# Allegro board 8880F5-0823_2_1.brd (continued)
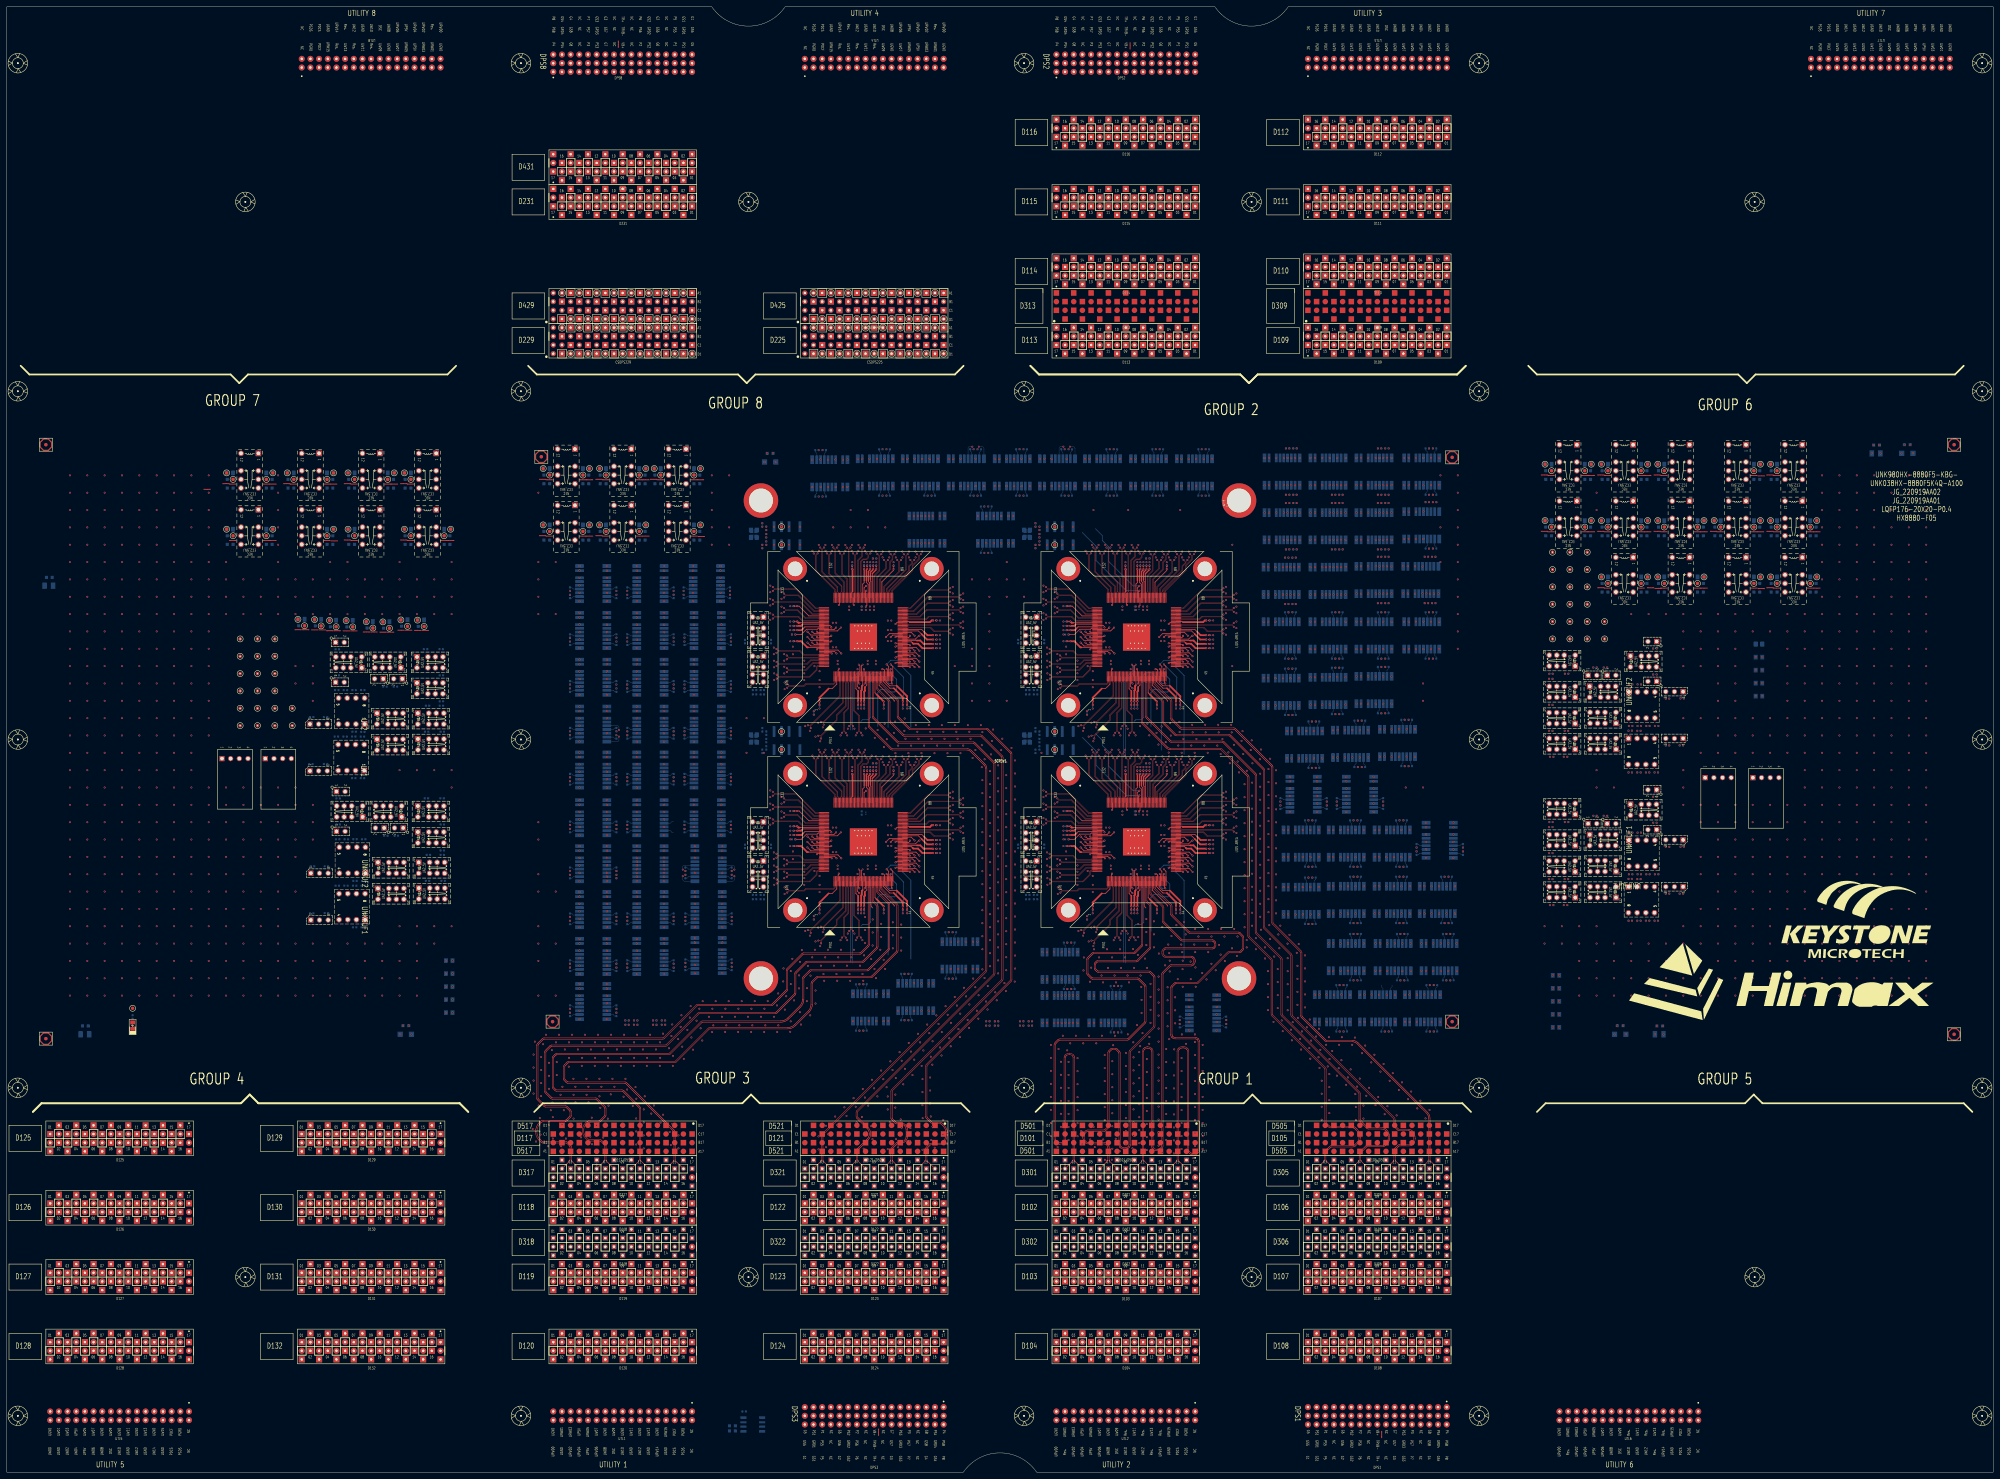
[diagram p0: board, top side]
## Routing (per net, layer and track width the routed paths; a pad name or vN(x,y) marks a point on that pad's centre or on a via; arc(x,y) is an arc through that point) (continued)
  TOP w0.086: SITE1.130 243.03,257.78 243.11,257.86 243.11,259.19 238.61,263.69 238.61,270.43 v1(238.16,270.88)
  L32_SIGNAL w0.071: v2(257.58,286.07) 257.1,286.54 257.1,287.94 254.02,291.03 246.01,291.03 238.63,283.65 238.63,271.35 v1(238.16,270.88)
S1_4TX_100DCH002+: length 99.2
  TOP w0.086: v1(237.43,269.15) 236.97,268.69 236.97,264.24 242.55,258.66 242.55,257.86 242.63,257.78 SITE1.131
  L32_SIGNAL w0.071: v2(283.1,299.66) 283.57,300.13 283.57,303.34 282.4,304.51 241.86,304.51 236.95,299.6 236.95,269.62 v1(237.43,269.15)
S1_4TX_100DCH002-: length 99.9
  TOP w0.086: v1(236.28,269.15) 236.73,268.71 236.73,264.14 242.31,258.56 242.31,257.86 242.23,257.78 SITE1.132
  L32_SIGNAL w0.071: v1(236.28,269.15) 236.75,269.62 236.75,299.69 241.78,304.71 282.48,304.71 283.77,303.42 283.77,300.13 v2(284.25,299.66)
S1_4TX_100DCH003+: length 143.5
  TOP w0.086: SITE1.133 237.68,253.23 237.6,253.15 236.94,253.15 231.22,258.87 224.75,258.87 v1(224.31,259.31)
  L32_SIGNAL w0.071: v2(283.1,286.07) 283.57,285.6 283.57,285.13 284.21,284.5 285.47,284.5 287.09,286.11 287.09,302.2 281.65,307.63 242.01,307.63 233.56,299.18 233.56,285.84 226.06,278.35 226.06,259.55 225.35,258.84 224.78,258.84 v1(224.31,259.31)
S1_4TX_100DCH003-: length 142.6
  TOP w0.086: v1(224.31,258.17) 224.77,258.63 231.12,258.63 236.84,252.91 237.6,252.91 237.68,252.83 SITE1.134
  L32_SIGNAL w0.071: v2(284.25,286.07) 283.77,285.6 283.77,285.21 284.29,284.7 285.39,284.7 286.89,286.19 286.89,302.12 281.57,307.44 242.1,307.44 233.75,299.09 233.75,285.76 226.26,278.27 226.26,259.47 225.43,258.64 224.78,258.64 v1(224.31,258.17)
S1_4TX_100DCH004+: length 77.7
  TOP w0.086: v1(227.6,257.38) 228.04,256.95 231.86,256.95 236.46,252.35 237.6,252.35 237.68,252.43 SITE1.135
  L32_SIGNAL w0.071: v1(227.6,257.38) 227.13,256.91 219.79,256.91 214.25,262.45 214.25,265.64 211.52,268.37 184.32,268.37 179.59,263.64 179.59,257.97 179.32,257.7 178.97,257.7 v2(178.5,258.17)
S1_4TX_100DCH004-: length 77.7
  TOP w0.086: v1(227.6,256.24) 228.07,256.71 231.76,256.71 236.36,252.11 237.6,252.11 237.68,252.03 SITE1.136
  L32_SIGNAL w0.071: v2(178.5,257.03) 178.97,257.5 179.4,257.5 179.79,257.89 179.79,263.55 184.41,268.17 211.44,268.17 214.05,265.56 214.05,262.37 219.71,256.71 227.13,256.71 v1(227.6,256.24)
S1_4TX_100DCH005+: length 85.1
  TOP w0.086: v1(224.31,255.45) 224.75,255.01 232.43,255.01 235.88,251.55 237.6,251.55 237.68,251.63 SITE1.137
  L32_SIGNAL w0.071: v2(164.91,258.17) 165.38,257.7 166.4,257.7 168.1,256 178.81,256 180.68,257.87 180.68,260.62 183.15,263.1 210.5,263.1 218.62,254.98 223.83,254.98 v1(224.31,255.45)
S1_4TX_100DCH005-: length 85.1
  TOP w0.086: v1(224.31,254.31) 224.76,254.77 232.33,254.77 235.78,251.31 237.6,251.31 237.68,251.23 SITE1.138
  L32_SIGNAL w0.071: v2(164.91,257.03) 165.38,257.5 166.32,257.5 168.02,255.8 178.9,255.8 180.88,257.78 180.88,260.54 183.23,262.9 210.42,262.9 218.54,254.78 223.83,254.78 v1(224.31,254.31)
S1_4TX_100DCH006+: length 47.7
  TOP w0.086: SITE1.140 237.68,250.43 237.6,250.35 233.88,250.35 231.52,252.7 228.04,252.7 v1(227.6,253.14)
  L32_SIGNAL w0.071: v2(195.26,258.17) 195.73,257.7 196.81,257.7 201.84,252.67 227.13,252.67 v1(227.6,253.14)
S1_4TX_100DCH006-: length 47.7
  TOP w0.086: v1(227.6,252) 228.06,252.46 231.43,252.46 233.78,250.11 237.6,250.11 237.68,250.03 SITE1.141
  L32_SIGNAL w0.071: v1(227.6,252) 227.13,252.47 201.76,252.47 196.73,257.5 195.73,257.5 v1(195.26,257.03)
S1_4TX_100DCH007+: length 63.7
  TOP w0.086: v1(224.31,251.21) 224.76,250.76 231.83,250.76 233.04,249.55 237.6,249.55 237.68,249.63 SITE1.142
  L32_SIGNAL w0.071: v1(224.31,251.21) 223.83,250.74 223.37,250.74 222.19,251.92 212.79,251.92 210.34,249.47 191.59,249.47 183.36,257.7 182.15,257.7 v2(181.67,258.17)
S1_4TX_100DCH007-: length 63.7
  TOP w0.086: SITE1.143 237.68,249.23 237.6,249.31 232.94,249.31 231.73,250.52 224.76,250.52 v1(224.31,250.07)
  L32_SIGNAL w0.071: v2(181.67,257.03) 182.15,257.5 183.28,257.5 191.51,249.27 210.42,249.27 212.87,251.72 222.11,251.72 223.29,250.54 223.83,250.54 v1(224.31,250.07)
S1_AUX_100DCH002+:
  vias: v1(183.65,132.33)
S1_AUX_100DCH002-:
  vias: v1(181.11,132.33)
S1_AUXCH+: length 24
  TOP w0.203: SITE1.21 250.23,236.2 v2(250.6,236.57)
  BOTTOM w0.203: 247.57,217.42 247.57,231.79 250.3,234.52 250.3,236.28 v2(250.6,236.57)
S1_AUXCH-: length 24
  TOP w0.203: SITE1.20 249.83,236.2 v2(249.46,236.57)
  BOTTOM w0.203: 247.03,217.42 247.03,232.02 249.76,234.75 249.76,236.28 v2(249.46,236.57)
S1_AVDD11_RX: length 8.4
  TOP w0.231: 254.67,227.85 254.23,228.29 SITE1.31
  TOP w0.508: v1(256.77,225.75) 254.67,227.85
  vias: v1(256.77,223.71)
S1_AVDD11_XTAL: length 8.8
  TOP w0.231: SITE1.105 253.03,260.95 252.87,261.11 252.87,261.45
  TOP w0.381: v1(253.72,264.54) 253.72,264.44 252.87,263.59 252.87,261.45
  vias: v1(253.72,266.58)
S1_AVDD18_RX: length 7.7
  TOP w0.231: 251.28,230.01 251.83,230.56 SITE1.25
  TOP w0.508: 251.28,230.01 251.28,228.9 251.06,228.68 v1(251.06,225.75)
  vias: v1(251.06,223.71)
S1_DCH041: length 2.2
  TOP w0.231: v1(237.23,243.03) 237.43,242.83 SITE1.159
S1_DCH042: length 3.7
  TOP w0.231: v1(235.83,243.03) 236.43,242.43 SITE1.160
S1_DCH043: length 5.3
  TOP w0.231: v1(234.44,243.03) 235.44,242.03 SITE1.161
S1_DCH044: length 2.2
  TOP w0.231: SITE1.163 237.43,241.23 v1(237.23,241.03)
S1_DCH045: length 5.4
  TOP w0.231: v1(244.35,239.83) 243.35,240.83 SITE1.164
S1_DCH046: length 3.9
  TOP w0.231: v1(242.95,239.83) 242.35,240.43 SITE1.165
S1_DCH047: length 2.3
  TOP w0.231: v1(241.56,239.83) 241.36,240.03 SITE1.166
S1_DCH048:
  vias: v1(229.05,276.97)
S1_DCH049:
  vias: v1(229.05,271.67)
S1_DPS_F_001:
  vias: v1(182.11,131.06)
S1_DPS_F_002: length 10.1
  TOP w0.119: v1(237.98,223.71) 237.98,223.75
  TOP w0.231: 240.65,229.55 241.72,229.55 243.03,230.86 SITE1.3
  TOP w0.508: v1(237.98,225.75) 237.98,226.88 240.65,229.55
  vias: v1(236.32,222.9)
S1_DPS_F_003: length 63.1
  TOP w0.231: 234.63,241.63 SITE1.162 ; 267.84,245.53 266.94,246.43 SITE1.71 ; 232.83,248.18 233.08,248.43 SITE1.145 ; 265.2,242.93 264.9,243.23 SITE1.63 ; 251.69,261.16 251.69,260.65 252.23,260.11 SITE1.107 ; 249.28,228.85 248.63,229.5 SITE1.17 ; 259.73,229.66 258.57,229.66 256.63,231.59 SITE1.37
  TOP w0.381: 251.69,261.16 251.69,264.28 v1(251.94,264.54)
  TOP w0.508: v1(231.44,247.93) 232.58,247.93 232.83,248.18 ; 259.73,229.66 262.36,227.02 v1(262.36,225.75) ; v1(271.22,241.37) 268.11,241.37 266.8,242.67 265.45,242.67 265.2,242.93 ; 267.84,245.53 269.46,243.91 v1(271.22,243.91) ; 234.63,241.63 234.37,241.63 232.59,243.41 v1(231.44,243.41) ; v1(249.28,225.75) 249.28,228.85
  vias: v1(229.4,247.93) v1(229.4,243.41) v1(249.28,223.71) v1(251.54,252.59) v1(251.94,266.58) v1(262.36,223.71) v1(273.27,243.91) v1(273.27,241.37)
S1_DPS_F_006: length 9.8
  TOP w0.231: SITE1.72 267.92,246.83 268.55,246.19
  TOP w0.508: v1(271.22,245.18) 269.56,245.18 268.55,246.19
  BOTTOM w0.119: CC40.1 v1(259,246.67)
  vias: v1(273.27,245.18)
S1_DPS_F_007: length 19.2
  TOP w0.231: SITE1.78 264.15,249.23 264.37,249.01
  TOP w0.254: SITE1.97 256.23,260.8 259.65,264.22 v1(259.65,264.54) CD11.1
  TOP w0.508: v1(271.22,249.5) 270.8,249.5 270.31,249.01 264.37,249.01
  BOTTOM w0.119: CC27.1 v1(273.27,249.5)
  vias: v1(259.65,266.58)
S1_DPS_F_009: length 8.8
  TOP w0.231: 252.26,261.12 252.26,260.9 252.63,260.53 SITE1.106
  TOP w0.381: 252.26,261.12 252.26,263.82 252.83,264.39 v1(252.83,264.54)
  vias: v1(252.83,266.58) v1(253.61,267.66)
S1_DPS_F_010: length 8.6
  TOP w0.231: SITE1.111 250.63,260.15 251.05,260.57 251.05,261.13
  TOP w0.381: 251.05,261.13 v1(251.05,264.54)
  vias: v1(250.34,253.59) v1(251.05,266.58)
S1_DPS_F_011: length 17.6
  TOP w0.231: SITE1.119 247.43,257.79 247.64,258.01 ; v1(231.44,253.69) 232.01,253.69 234.87,250.83 SITE1.139
  TOP w0.508: v1(247.57,264.54) 247.64,264.47 247.64,258.01
  vias: v1(229.4,253.69) v1(247.57,266.58)
S1_DPS_F_012: length 8
  TOP w0.231: 232.2,248.83 SITE1.144
  TOP w0.508: v1(231.44,249.2) 231.81,248.83 232.2,248.83
  vias: v1(229.4,249.2)
S1_ISP00+: length 14.6
  TOP w0.086: v1(276.24,245.73) 275.81,246.16 271.56,246.16 270.41,247.31 264.06,247.31 263.98,247.23 SITE1.73
  vias: v1(270.04,280.1)
S1_ISP00-: length 14.6
  TOP w0.086: SITE1.74 263.98,247.63 264.06,247.55 270.51,247.55 271.66,246.4 275.77,246.4 v1(276.24,246.87)
  vias: v1(270.04,272.1)
S1_ISP14+: length 71.8
  TOP w0.086: SITE1.112 250.23,257.78 250.15,257.86 250.15,266.68 250.73,267.26 251.76,267.26 252.42,267.92 252.42,268.71 v1(252.86,269.15)
  L28_SIGNAL w0.071: v1(252.86,269.15) 252.39,269.62 252.39,275.23 259.25,282.08 277.73,282.08 279.33,280.48 279.33,278.54 276.99,276.2 265.91,276.2 265.64,276.46 v1(265.64,280.1)
S1_ISP14-: length 72.8
  TOP w0.086: v1(251.72,269.15) 252.18,268.69 252.18,268.02 251.66,267.5 250.63,267.5 249.91,266.78 249.91,257.86 249.83,257.78 SITE1.113
  L28_SIGNAL w0.071: v1(251.72,269.15) 252.19,269.62 252.19,275.31 259.16,282.28 277.81,282.28 279.53,280.56 279.53,278.46 277.07,276 265.91,276 265.64,275.73 v1(265.64,272.1)
S1_ISP_1LOCK:
  vias: v1(229.91,245.39)
S1_M_DPS_F_001: length 45.2
  TOP w0.231: 250.63,230.54 SITE1.22 ; 266.49,243.63 SITE1.64 ; 233.24,247.18 233.7,247.63 SITE1.147 ; SITE1.39 257.43,231.49 258.54,230.37 260.57,230.37 ; SITE1.104 253.43,263.21
  TOP w0.381: v1(254.61,264.54) 254.61,264.39 253.43,263.21
  TOP w0.508: v1(250.17,225.75) 250.17,228.96 250.38,229.17 250.38,230.28 250.63,230.54 ; v1(263.63,225.75) 263.63,227.31 260.57,230.37 ; 266.49,243.63 267.49,243.63 268.48,242.64 v1(271.22,242.64) ; v1(231.44,246.66) 232.72,246.66 233.24,247.18
  vias: v1(229.4,246.66) v1(250.17,223.71) v1(254.61,266.58) v1(263.63,223.71) v1(273.27,242.64)
S1_PS9G_DCH001: length 3.7
  TOP w0.231: SITE1.18 249.03,230.23 v1(249.63,229.63)
S1_PS9G_DCH002: length 2.2
  TOP w0.231: v1(249.63,231.03) 249.43,231.23 SITE1.19
S1_PS9G_DCH003: length 2.2
  TOP w0.231: SITE1.24 251.43,231.23 v1(251.23,231.03)
S1_PS9G_DCH004: length 2.2
  TOP w0.231: v1(257.63,235.23) 257.83,235.03 SITE1.40
S1_PS9G_DCH005: length 2.2
  TOP w0.231: SITE1.45 264.23,236.03 v1(264.43,235.83)
S1_PS9G_DCH006: length 3.7
  TOP w0.231: v1(265.83,235.83) 265.23,236.43 SITE1.46
S1_PS9G_DCH007: length 5.3
  TOP w0.231: v1(267.23,235.83) 266.22,236.83 SITE1.47
S1_PS9G_DCH009: length 2.2
  TOP w0.231: v1(264.43,237.43) 264.23,237.63 SITE1.49
S1_PS9G_DCH010: length 3.7
  TOP w0.231: SITE1.50 265.23,238.03 v1(265.83,237.43)
S1_PS9G_DCH011: length 5.3
  TOP w0.231: v1(267.23,237.43) 266.22,238.43 SITE1.51
S1_PS9G_DCH014: length 3.7
  TOP w0.231: SITE1.54 265.23,239.63 v1(265.83,239.03)
S1_PS9G_DCH015: length 5.3
  TOP w0.231: v1(267.23,239.03) 266.22,240.03 SITE1.55
S1_PS9G_DCH022: length 5.3
  TOP w0.231: v1(267.23,245.03) 267.05,245.03 266.05,244.03 SITE1.65
S1_PS9G_DCH023: length 2.5
  TOP w0.231: v1(264.43,245.03) 264.43,244.83 264.03,244.43 SITE1.66
S1_PS9G_DCH027: length 3.9
  TOP w0.231: v1(265.83,245.03) 264.83,246.03 SITE1.70
S1_PS9G_DCH028: length 2.3
  TOP w0.231: v1(260.23,248.46) 260.6,248.83 SITE1.77
S1_PS9G_DCH029: length 2.2
  TOP w0.231: SITE1.118 247.83,254.23 v1(248.03,254.03)
S1_PS9G_DCH030: length 9.2
  TOP w0.231: SITE1.148 237.62,247.23 237.3,246.91 234.16,246.91 232.63,245.39 v1(230.91,245.39)
S1_PS9G_DCH035: length 5.3
  TOP w0.231: v1(234.44,246.23) 235.44,245.23 SITE1.153
S1_PS9G_DCH036: length 2.2
  TOP w0.231: v1(241.43,245.03) 241.23,244.83 SITE1.154
S1_PS9G_DCH037: length 2.2
  TOP w0.231: SITE1.155 237.43,244.43 v1(237.23,244.63)
S1_PS9G_DCH038: length 3.7
  TOP w0.231: SITE1.156 236.43,244.03 v1(235.83,244.63)
S1_PS9G_DCH039: length 5.3
  TOP w0.231: v1(234.44,244.63) 235.44,243.63 SITE1.157
S1_PS9G_DCH040: length 2.2
  TOP w0.231: SITE1.158 241.23,243.23 v1(241.43,243.43)
S1_RLY_001:
  vias: v1(167.7,222.95) v1(201.23,236.67)
S1_RLY_003:
  vias: v1(290.64,288.86) v1(303.84,288.86)
S1_RLY_005:
  vias: v1(330.51,288.86) v1(343.98,288.86)
S1_RLY_007:
  vias: v1(317.05,288.86)
S1_RLY_008:
  vias: v1(263.71,288.86) v1(293.31,280.1)
S1_RLY_016:
  vias: v1(244.8,296.61) v1(250.5,288.86)
S1_RLY_018:
  vias: v1(232.25,276.97)
S1_RLY_021:
  vias: v1(167.7,264.1) v1(277.17,288.86)
S1_RLY_022:
  vias: v1(167.7,236.67) v1(201.23,250.38)
S1_RLY_023:
  vias: v1(184.47,236.67)
S1_RLY_025:
  vias: v1(167.7,250.38) v1(200.98,264.1)
S1_RLY_026:
  vias: v1(184.47,250.38)
S1_RLY_030:
  vias: v1(184.47,264.1)
S1_RLY_043:
  vias: v1(273.24,280.1)
S1_SCAN_DCH008: length 2.2
  TOP w0.231: SITE1.48 260.43,237.23 v1(260.23,237.03)
S1_SCAN_DCH012: length 2.2
  TOP w0.231: SITE1.52 260.43,238.83 v1(260.23,238.63)
S1_SCAN_DCH013: length 2.2
  TOP w0.231: SITE1.53 264.23,239.23 v1(264.43,239.03)
S1_SCAN_DCH016: length 2.2
  TOP w0.231: v1(260.23,240.23) 260.43,240.43 SITE1.56
S1_SCAN_DCH017: length 2.2
  TOP w0.231: v1(264.43,240.63) 264.23,240.83 SITE1.57
S1_SCAN_DCH018: length 3.7
  TOP w0.231: v1(265.83,240.63) 265.23,241.23 SITE1.58
S1_SCAN_DCH019: length 5.3
  TOP w0.231: v1(267.23,240.63) 266.22,241.63 SITE1.59
S1_SCAN_DCH020: length 2.2
  TOP w0.231: SITE1.60 260.43,242.03 v1(260.23,241.83)
S1_SCAN_DCH021: length 2.2
  TOP w0.231: SITE1.61 264.23,242.43 v1(264.43,242.23)
S1_SCAN_DCH024: length 2.2
  TOP w0.231: SITE1.67 260.43,244.83 v1(260.23,244.63)
S1_SCAN_DCH025: length 3.7
  TOP w0.231: SITE1.68 259.43,245.23 v1(258.83,244.63)
S1_SCAN_DCH026: length 5.3
  TOP w0.231: v1(257.44,244.63) 258.44,245.63 SITE1.69
S1_SCAN_DCH031: length 3.7
  TOP w0.231: v1(242.83,247.43) 242.23,246.83 SITE1.149
S1_SCAN_DCH032: length 5.3
  TOP w0.231: SITE1.150 243.22,246.43 v1(244.22,247.43)
S1_SCAN_DCH033: length 2.2
  TOP w0.231: SITE1.151 237.43,246.03 v1(237.23,246.23)
S1_SCAN_DCH034: length 3.7
  TOP w0.231: SITE1.152 236.43,245.63 v1(235.83,246.23)
S1_SPI_CSN: length 25.9
  TOP w0.231: v1(259.23,231.03) 259.03,231.23 SITE1.43
  BOTTOM w0.231: 250.11,219.95 250.61,220.44 252.25,220.44 252.91,221.11 252.91,233.59 253.58,234.25 255.17,234.25 258.4,231.03 v1(259.23,231.03)
S1_SPI_SCK: length 25.3
  TOP w0.231: SITE1.42 258.63,235.03 v1(258.83,235.23)
  BOTTOM w0.231: 255.03,218.48 255.03,228.39 255.92,229.27 257.17,229.27 257.9,228.54 259.96,228.54 260.53,229.11 260.53,232.28 258.83,233.98 v1(258.83,235.23)
S1_SPI_SDI: length 27.5
  TOP w0.231: SITE1.44 259.43,236.03 v1(258.83,236.63)
  BOTTOM w0.231: 258.07,218.19 258.07,226.28 258.85,227.06 262.04,227.06 262.6,227.63 262.6,232.86 v1(258.83,236.63)
S1_SPI_SDO: length 29.1
  TOP w0.231: v1(257.63,236.63) 258.23,236.03 SITE1.41
  BOTTOM w0.231: v1(257.63,236.63) 258.83,237.83 261.5,237.83 262.29,237.04 262.29,235.83 264.72,233.4 264.72,218.19
S1_XTAL_IN: length 2.2
  TOP w0.231: SITE1.109 251.43,258.03 v1(251.63,258.23)
  vias: v1(226.85,271.67)
S1_XTAL_OUT: length 3.7
  TOP w0.231: v1(251.63,259.63) 251.03,259.03 SITE1.110
  vias: v1(226.85,276.97)
S2_1TX_100DCH001+: length 85.8
  L07_SIGNAL w0.071: 416.92,312.8 416.92,299.98 416.85,299.91 v1(416.45,299.91)
  L30_SIGNAL w0.071: v1(416.45,299.91) 416.92,299.44 416.92,298.08 406.32,287.48 406.32,267.89 405.38,266.95 385.23,266.95 383.77,265.49 383.77,262.03 384.78,261.01 388.2,261.01 388.49,260.72 v1(388.49,257.11)
S2_1TX_100DCH001-: length 85.5
  L07_SIGNAL w0.071: v1(417.6,299.91) 417.19,299.91 417.12,299.98 417.12,312.8
  L30_SIGNAL w0.071: v1(417.6,299.91) 417.12,299.44 417.12,298 406.52,287.4 406.52,267.81 405.46,266.75 385.31,266.75 383.97,265.41 383.97,262.11 384.87,261.21 388.2,261.21 388.49,261.51 v1(388.49,265.11)
S2_1TX_100DCH002+: length 166
  TOP w0.086: SITE2.75 343.98,248.03 344.06,248.11 358.84,248.11 v1(359.29,247.66)
  L07_SIGNAL w0.071: v1(416.45,286.32) 416.85,286.32 416.92,286.39 416.92,287.31 415.62,288.62 415.62,312.77
  L30_SIGNAL w0.071: v1(416.45,286.32) 416.93,286.8 416.93,287.18 416.08,288.02 416.08,294.44 418.69,297.05 418.69,300.03 417.91,300.81 399.94,300.81 397.59,298.46 397.59,280.14 392.91,275.46 382.86,275.46 381.08,273.68 381.08,250.42 378.79,248.13 359.76,248.13 v1(359.29,247.66)
S2_1TX_100DCH002-: length 166.4
  TOP w0.086: v1(359.29,248.8) 358.84,248.35 344.06,248.35 343.98,248.43 SITE2.76
  L07_SIGNAL w0.071: v1(417.6,286.32) 417.19,286.32 417.12,286.39 417.12,287.39 415.81,288.7 415.81,312.77
  L30_SIGNAL w0.071: v1(417.6,286.32) 417.13,286.79 417.13,287.26 416.28,288.11 416.28,294.36 418.89,296.97 418.89,300.12 417.99,301.01 399.86,301.01 397.39,298.54 397.39,280.22 392.83,275.66 382.78,275.66 380.88,273.76 380.88,250.5 378.7,248.33 359.76,248.33 v1(359.29,248.8)
S2_1TX_100DCH003+: length 145.4
  TOP w0.086: SITE2.79 343.98,249.63 344.06,249.71 349.2,249.71 350.02,250.53 355.8,250.53 v1(356.24,250.09)
  L07_SIGNAL w0.071: v1(416.45,284.16) 416.85,284.16 416.92,284.23 416.92,284.91 418.3,286.29 418.3,312.8
  L30_SIGNAL w0.071: v1(416.45,284.16) 416.92,284.63 416.92,285.2 417.3,285.57 419.17,285.57 420.13,284.6 420.13,280.43 418.3,278.59 418.3,275.54 414.8,272.04 412.42,272.04 407.85,267.46 407.85,258.02 405.87,256.05 395.96,256.05 393.68,253.77 393.68,248.34 391.43,246.08 359.3,246.08 358.26,247.11 358.26,249.56 357.26,250.56 356.72,250.56 v1(356.24,250.09)
S2_1TX_100DCH003-: length 144.4
  TOP w0.086: SITE2.80 343.98,250.03 344.06,249.95 349.1,249.95 349.92,250.77 355.78,250.77 v1(356.24,251.23)
  L07_SIGNAL w0.071: 418.5,312.8 418.5,286.21 417.12,284.83 417.12,284.23 417.19,284.16 v1(417.6,284.16)
  L30_SIGNAL w0.071: v1(417.6,284.16) 417.12,284.64 417.12,285.12 417.38,285.37 419.08,285.37 419.93,284.52 419.93,280.51 418.1,278.68 418.1,275.62 414.72,272.24 412.34,272.24 407.65,267.55 407.65,258.1 405.79,256.25 395.88,256.25 393.49,253.85 393.49,248.42 391.35,246.28 359.38,246.28 358.46,247.2 358.46,249.64 357.34,250.76 356.72,250.76 v1(356.24,251.23)
S2_1TX_100DCH004+: length 202
  TOP w0.086: SITE2.81 343.98,250.43 344.06,250.51 347.46,250.51 349.46,252.51 358.8,252.51 v1(359.29,252.02)
  L07_SIGNAL w0.071: v1(416.45,270.57) 416.85,270.57 416.92,270.65 416.92,281.45 413.52,284.85 413.52,312.77
  L30_SIGNAL w0.071: v1(416.45,270.57) 416.92,271.05 416.92,271.94 421.9,276.91 421.9,298.04 418.5,301.44 397.33,301.44 393.74,297.85 393.74,280.56 390.42,277.24 381.78,277.24 380.29,275.75 380.29,252.39 378.1,250.2 365.18,250.2 362.88,252.49 359.76,252.49 v1(359.29,252.02)
S2_1TX_100DCH004-: length 202.3
  TOP w0.086: SITE2.82 343.98,250.83 344.06,250.75 347.37,250.75 349.36,252.75 358.88,252.75 v1(359.29,253.16)
  L07_SIGNAL w0.071: 413.72,312.77 413.72,284.93 417.12,281.53 417.12,270.65 417.19,270.57 v1(417.6,270.57)
  L30_SIGNAL w0.071: v1(417.6,270.57) 417.12,271.05 417.12,271.86 422.1,276.83 422.1,298.13 418.58,301.64 397.25,301.64 393.54,297.93 393.54,280.64 390.34,277.44 381.7,277.44 380.1,275.83 380.1,252.47 378.01,250.39 365.26,250.39 362.97,252.69 359.76,252.69 v1(359.29,253.16)
S2_1TX_100DCH005+: length 142.8
  TOP w0.086: SITE2.83 343.98,251.23 344.06,251.31 346.53,251.31 349.61,254.39 355.8,254.39 v1(356.24,253.95)
  L07_SIGNAL w0.071: v1(402.48,251.9) 402.88,251.9 402.95,251.98 402.95,253.06 402.29,253.72 400.74,253.72 399.32,255.15 399.32,312.77
  L30_SIGNAL w0.071: v1(356.24,253.95) 355.77,254.42 355.47,254.42 355.12,254.06 355.12,245.25 357.18,243.18 395.75,243.18 402.95,250.38 402.95,251.43 v1(402.48,251.9)
S2_1TX_100DCH005-: length 143.8
  TOP w0.086: v1(356.24,255.09) 355.78,254.63 349.51,254.63 346.43,251.55 344.06,251.55 343.98,251.63 SITE2.84
  L07_SIGNAL w0.071: v1(403.63,251.9) 403.22,251.9 403.15,251.98 403.15,253.14 402.37,253.92 400.82,253.92 399.52,255.23 399.52,312.77
  L30_SIGNAL w0.071: v1(356.24,255.09) 355.77,254.62 355.39,254.62 354.92,254.14 354.92,245.17 357.1,242.99 395.84,242.99 403.15,250.3 403.15,251.43 v1(403.63,251.9)
S2_1TX_100DCH006+: length 166.7
  TOP w0.086: SITE2.85 343.98,252.03 344.06,252.11 345.58,252.11 349.82,256.36 358.81,256.36 v1(359.29,255.88)
  L07_SIGNAL w0.071: 407.17,312.77 407.17,244.22 402.95,240.01 402.95,238.39 402.88,238.32 v1(402.48,238.32)
  L30_SIGNAL w0.071: v1(402.48,238.32) 402.95,237.84 402.95,237.4 402.32,236.77 359.26,236.77 354.16,241.87 354.16,254.64 355.87,256.35 358.82,256.35 v1(359.29,255.88)
S2_1TX_100DCH006-: length 167.6
  TOP w0.086: SITE2.86 343.98,252.43 344.06,252.35 345.48,252.35 349.73,256.6 358.87,256.6 v1(359.29,257.02)
  L07_SIGNAL w0.071: 407.37,312.77 407.37,244.14 403.15,239.93 403.15,238.39 403.22,238.32 v1(403.63,238.32)
  L30_SIGNAL w0.071: v1(403.63,238.32) 403.15,237.84 403.15,237.32 402.4,236.57 359.18,236.57 353.97,241.78 353.97,254.73 355.79,256.55 358.82,256.55 v1(359.29,257.02)
S2_1TX_100DCH007+: length 115.1
  TOP w0.086: v1(356.24,257.81) 355.83,258.23 349.88,258.23 344.57,252.91 344.06,252.91 343.98,252.83 SITE2.87
  L07_SIGNAL w0.071: 379.47,312.91 379.47,286.59 378.43,285.55 376.66,285.55 376.03,284.92 376.03,283.98 375.96,283.91 v1(375.56,283.91)
  L30_SIGNAL w0.071: v1(356.24,257.81) 356.72,258.28 362.24,258.28 369.66,250.87 377.37,250.87 379.38,252.88 379.38,274.01 372.95,280.44 372.95,284.92 373.49,285.46 375.76,285.46 376.04,285.19 376.04,284.39 v1(375.56,283.91)
S2_1TX_100DCH007-: length 115.4
  TOP w0.086: v1(356.24,258.95) 355.76,258.47 349.78,258.47 344.47,253.15 344.06,253.15 343.98,253.23 SITE2.88
  L07_SIGNAL w0.071: 379.66,312.91 379.66,286.5 378.51,285.35 376.74,285.35 376.23,284.84 376.23,283.98 376.3,283.91 v1(376.7,283.91)
  L30_SIGNAL w0.071: v1(356.24,258.95) 356.72,258.48 362.32,258.48 369.74,251.06 377.29,251.06 379.18,252.96 379.18,273.93 372.75,280.36 372.75,285 373.41,285.66 375.85,285.66 376.23,285.27 376.23,284.38 v1(376.7,283.91)
S2_2AUX+:
  vias: v1(290.31,132.08) v1(290.31,130.81)
S2_2AUX-:
  vias: v1(286.77,130.81) v1(287.77,132.08)
S2_2TX_100DCH001+: length 92.1
  TOP w0.086: SITE2.89 339.43,257.78 339.35,257.86 339.35,258.16 345.32,264.13 345.32,265.52 347.21,267.41 347.21,268.5 v1(347.64,268.93)
  L05_SIGNAL w0.071: 379.8,311.64 379.8,284.33 377.77,282.29 377.77,272.89 376.03,271.15 376.03,270.39 375.96,270.32 v1(375.56,270.32)
  L32_SIGNAL w0.071: v1(375.56,270.32) 376.03,269.85 376.03,268.98 375.72,268.67 357.83,268.67 356.82,269.68 349.14,269.68 347.62,268.16 347.26,268.16 347.17,268.24 347.17,268.46 v1(347.64,268.93)
S2_2TX_100DCH001-: length 92.7
  TOP w0.086: v1(346.5,268.93) 346.97,268.46 346.97,267.51 345.08,265.62 345.08,264.23 339.11,258.26 339.11,257.86 339.03,257.78 SITE2.90
  L05_SIGNAL w0.071: 380,311.64 380,284.24 377.97,282.21 377.97,272.81 376.23,271.07 376.23,270.39 376.3,270.32 v1(376.7,270.32)
  L32_SIGNAL w0.071: v1(376.7,270.32) 376.23,269.85 376.23,268.9 375.8,268.48 357.74,268.48 356.74,269.48 349.23,269.48 347.7,267.96 347.18,267.96 346.97,268.16 346.97,268.46 v1(346.5,268.93)
S2_2TX_100DCH002+: length 127.3
  TOP w0.086: SITE2.91 338.63,257.78 338.55,257.86 338.55,258.23 344.35,264.04 344.35,265.37 345.28,266.31 345.28,266.78 v1(345.72,267.21)
  L05_SIGNAL w0.071: v1(402.48,268.16) 402.88,268.16 402.95,268.23 402.95,268.99 403.63,269.66 405.11,269.66 407.56,272.12 407.56,285.04 409.78,287.26 409.78,311.64
  L32_SIGNAL w0.071: v1(345.72,267.21) 345.24,267.69 345.24,270.21 346,270.97 381.04,270.97 386.11,265.9 397.07,265.9 400.26,269.09 402.78,269.09 402.95,268.91 402.95,268.63 v1(402.48,268.16)
S2_2TX_100DCH002-: length 128
  TOP w0.086: SITE2.92 338.23,257.78 338.31,257.86 338.31,258.33 344.11,264.13 344.11,265.47 345.04,266.4 345.04,266.74 v1(344.57,267.21)
  L05_SIGNAL w0.071: 409.97,311.64 409.97,287.17 407.76,284.96 407.76,272.04 405.19,269.47 403.71,269.47 403.15,268.91 403.15,268.23 403.22,268.16 v1(403.63,268.16)
  L32_SIGNAL w0.071: v1(403.63,268.16) 403.15,268.63 403.15,268.99 402.86,269.28 400.18,269.28 396.99,266.1 386.19,266.1 381.12,271.17 345.92,271.17 345.04,270.3 345.04,267.69 v1(344.57,267.21)
S2_2TX_100DCH003+: length 155.1
  TOP w0.086: v1(343.79,268.93) 343.34,268.49 343.34,264.27 337.75,258.68 337.75,257.86 337.83,257.78 SITE2.93
  L05_SIGNAL w0.071: v1(402.48,254.57) 402.88,254.57 402.95,254.64 402.95,256.07 403.61,256.73 406.23,256.73 407.83,258.32 407.83,268.7 411.8,272.67 411.8,311.64
  L32_SIGNAL w0.071: v1(343.79,268.93) 343.31,268.46 343.31,261.56 345.64,259.23 354.26,259.23 356.58,261.55 391.57,261.55 394.29,258.84 394.29,254.45 396.06,252.68 402.31,252.68 402.95,253.32 402.95,254.1 v1(402.48,254.57)
S2_2TX_100DCH003-: length 155.8
  TOP w0.086: SITE2.94 337.43,257.78 337.51,257.86 337.51,258.78 343.1,264.37 343.1,268.47 v1(342.64,268.93)
  L05_SIGNAL w0.071: v1(403.63,254.57) 403.22,254.57 403.15,254.64 403.15,255.98 403.7,256.53 406.31,256.53 408.03,258.24 408.03,268.62 411.99,272.58 411.99,311.64
  L32_SIGNAL w0.071: v1(342.64,268.93) 343.12,268.46 343.12,261.48 345.56,259.03 354.34,259.03 356.66,261.35 391.49,261.35 394.09,258.75 394.09,254.37 395.98,252.48 402.4,252.48 403.15,253.23 403.15,254.1 v1(403.63,254.57)
S2_2TX_100DCH004+: length 137.4
  TOP w0.086: SITE2.95 337.03,257.78 336.95,257.86 336.95,259.28 341.41,263.74 341.41,266.77 v1(341.86,267.21)
  L05_SIGNAL w0.071: v1(402.48,283.91) 402.88,283.91 402.95,283.98 402.95,284.92 403.61,285.57 406.4,285.57 408.19,287.36 408.19,311.64
  L32_SIGNAL w0.071: v1(402.48,283.91) 402.95,284.38 402.95,285.04 403.21,285.29 406.19,285.29 407.18,284.31 407.18,270.55 406.19,269.57 397.32,269.57 396.65,268.89 384.63,268.89 381.81,271.72 366.74,271.72 366.18,272.28 342.6,272.28 341.38,271.07 341.38,267.69 v1(341.86,267.21)
